# Altium PCB OBC.PcbDoc (part 3 of 3)
Units mm, origin at the board's own origin, x right, y up, seen from the top; angles counter-clockwise.
Board outline 90.1 x 95.9 mm, 4 copper layers (Top Layer, GND, VCC, Bottom Layer), stack 1.536 mm thick; 98 components, 128 nets, 651 pads, 791 vias.
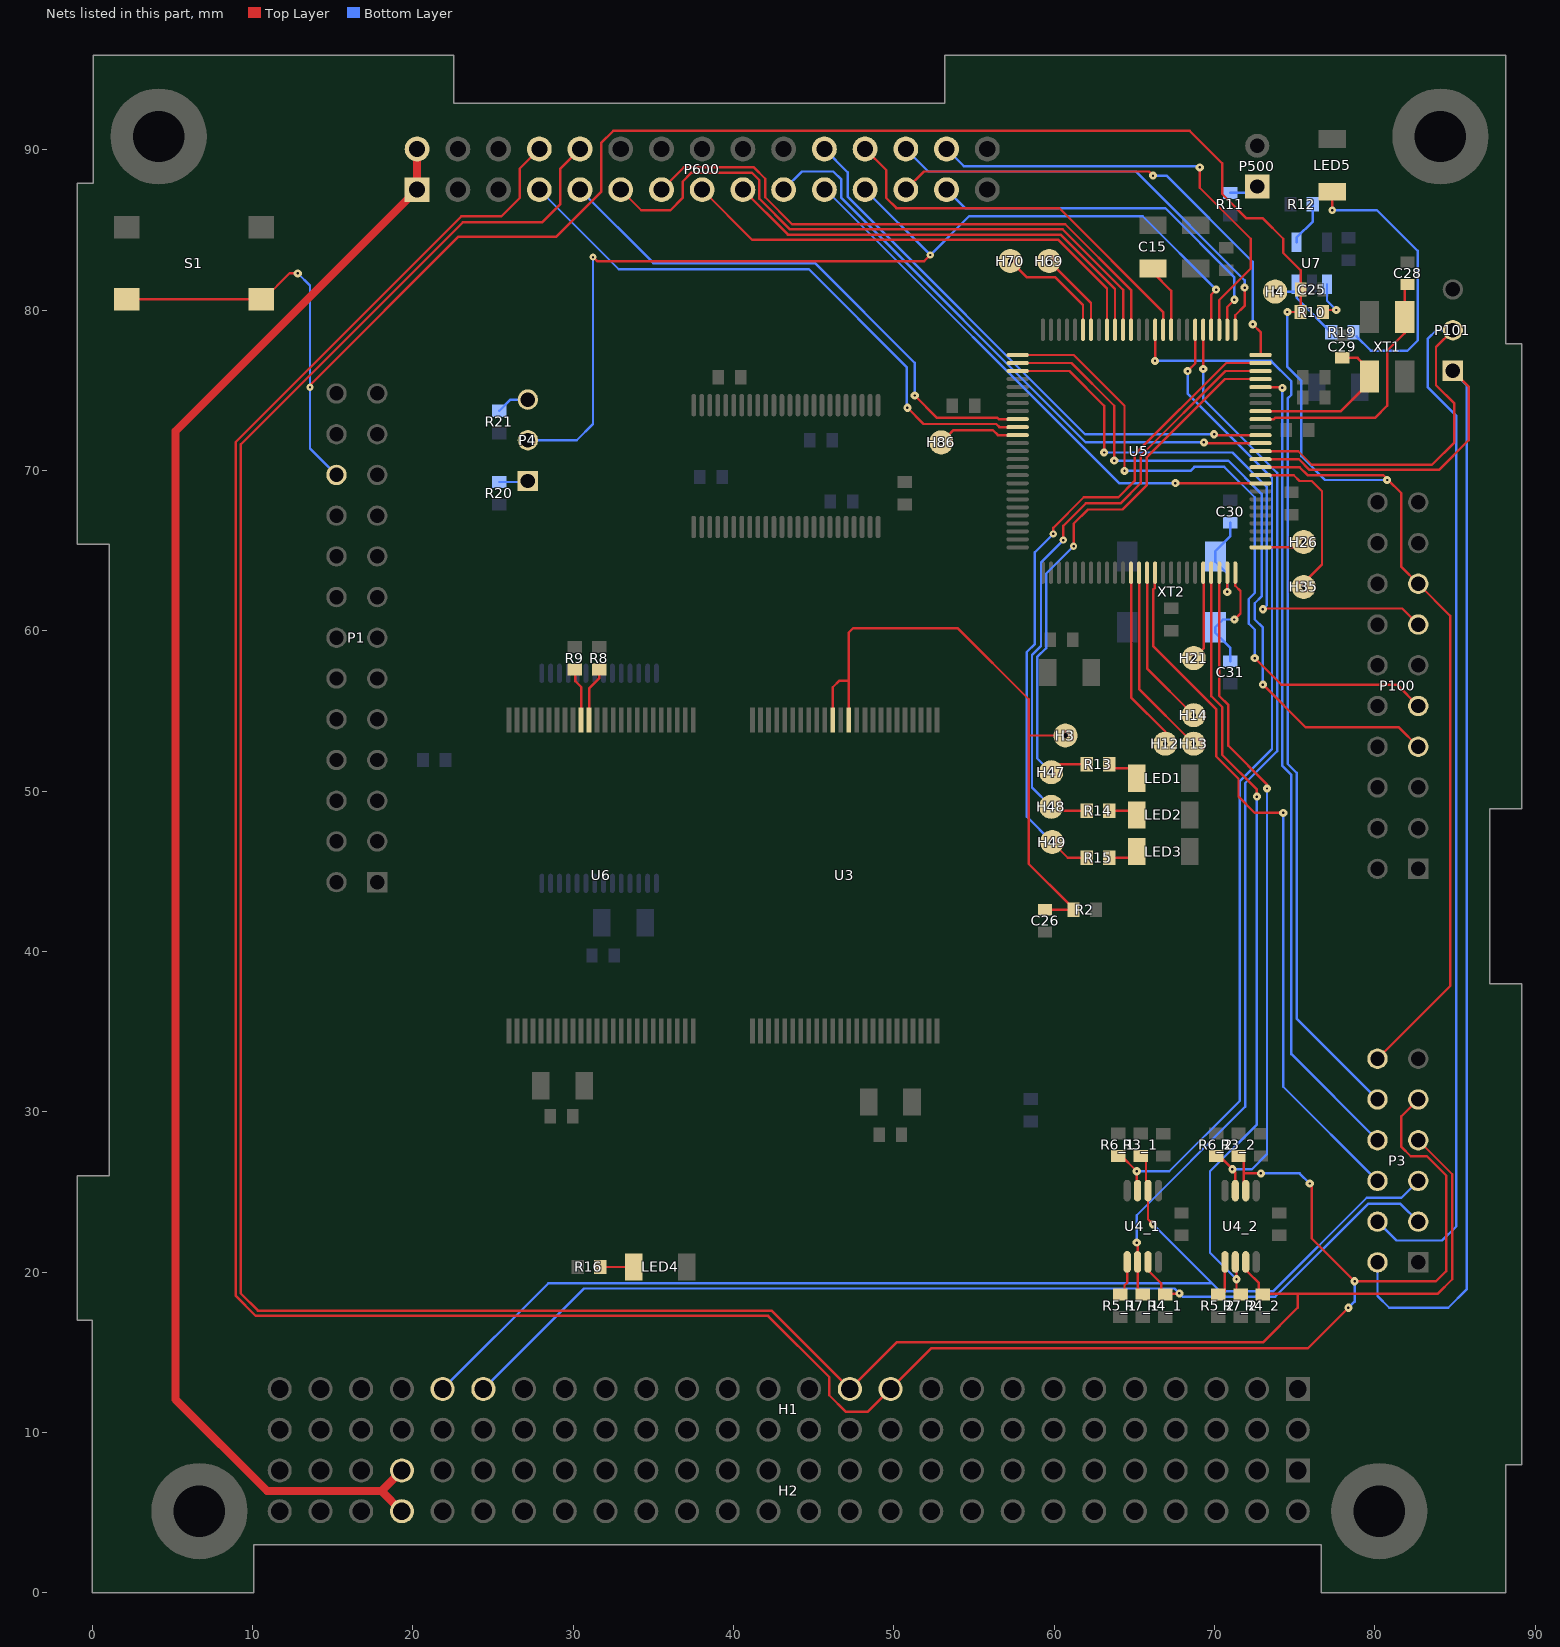
[diagram p5: the nets of this part, all layers, seen from the top]

## Via types
v1: diameter 0.457, hole 0.152, Top Layer to Bottom Layer, tented both sides, 518 vias
v2: diameter 0.508, hole 0.152, Top Layer to Bottom Layer, tented both sides, 273 vias

## Nets (pads, with @x,y where several pads share a name; then routed paths per layer and width w, separated by ;. In a path a pad name is that pad's centre, name@x,y a point inside that pad or via, vN(x,y) a via of type N, cw(c..) or ccw(c..) an arc to the next point about the centre after c; other vN are vias at no path point) (continued)
GPIO_PA13: P600.21 U5.34 | length 34.8
  Top Layer w0.15: v2(67.564,69.215) 67.577,69.202 69.252,69.202 69.26,69.211 69.678,69.211 69.686,69.202 U5.34@72.875,69.202 U5.34@72.9,69.202
  Bottom Layer w0.15: P600.21@45.67,87.51 45.761,87.51 64.056,69.215 v2(67.564,69.215)
GPIO_PB11: P600.19 U5.39 | length 37.9
  Top Layer w0.15: v2(69.342,71.755) 69.395,71.702 U5.39@72.875,71.702 U5.39@72.9,71.702
  Bottom Layer w0.15: P600.19@43.13,87.51 44.266,88.646 46.228,88.646 46.736,88.138 46.736,86.995 61.976,71.755 v2(69.342,71.755)
GPIO_PB12: P600.22 U5.40 | length 35.5
  Top Layer w0.15: v2(69.977,72.263) 70.038,72.202 U5.40@72.875,72.202 U5.40@72.9,72.202
  Bottom Layer w0.15: P600.22@45.67,90.05 47.117,88.603 47.117,87.08 61.934,72.263 v2(69.977,72.263)
GPIO_PD4: P600.25 U5.50 | length 30.5
  Top Layer w0.15: P600.25@50.75,87.51 51.886,88.646 65.913,88.646 v2(66.167,88.392) ; v2(72.39,79.121) 72.9,78.611 U5.50@72.9,77.202
  Bottom Layer w0.15: v2(66.167,88.392) 67.007,88.392 72.39,83.009 v2(72.39,79.121)
GPIO_PD5: P600.26 U5.51 | length 27.8
  Top Layer w0.15: U5.51@71.3,78.802 71.3,79.682 71.882,80.264 v2(71.882,81.407)
  Bottom Layer w0.15: P600.26@50.75,90.05 52.154,88.646 65.103,88.646 71.882,81.867 v2(71.882,81.407)
GPIO_PD6: P600.27 U5.52 | length 23.6
  Top Layer w0.15: U5.52@70.8,78.802 70.8,80.198 v2(71.247,80.645)
  Bottom Layer w0.15: P600.27@53.29,87.51 54.44,86.36 66.929,86.36 71.247,82.042 v2(71.247,80.645)
GPIO_PD7: P600.28 U5.53 | length 28.5
  Top Layer w0.15: v2(69.088,88.9) 69.088,87.63 72.263,84.455 72.263,82.592 70.3,80.629 U5.53@70.3,78.802
  Bottom Layer w0.15: P600.28@53.29,90.05 54.369,88.971 69.017,88.971 v2(69.088,88.9)
GPIO_PD8: P4.2 P600.23 U5.54 | length 65.3
  Top Layer w0.15: v1(31.242,83.312) 31.496,83.058 51.9,83.058 v1(52.281,83.439) ; U5.54@69.8,78.802 69.8,80.976 v2(70.104,81.28)
  Bottom Layer w0.15: P4.2@27.178,71.882 30.226,71.882 31.242,72.898 v1(31.242,83.312) ; P600.23@48.21,87.51 v1(52.281,83.439) 54.694,85.852 65.532,85.852 v2(70.104,81.28)
GPIO_PE0: P600.24 U5.60 | length 24.9
  Top Layer w0.15: P600.24@48.21,90.05 49.53,88.73 49.53,86.995 50.165,86.36 60.325,86.36 66.8,79.885 U5.60@66.8,78.802
I2C0_SCL: R6_1.2 U4_1.3 U5.56 | length 62.2
  Top Layer w0.15: R6_1.2@64.135,27.305 v2(65.151,26.289) 65.151,25.141 U4_1.3@65.207,25.085 ; v2(68.326,76.2) 68.8,76.674 U5.56@68.8,78.777 U5.56@68.8,78.802
  Bottom Layer w0.15: v2(65.151,26.289) 67.183,26.289 71.586,30.692 71.586,50.625 73.589,52.627 73.589,69.54 68.326,74.803 v2(68.326,76.2)
I2C0_SDA: R7_1.2 U4_1.6 U5.55 | length 65.8
  Top Layer w0.15: v2(65.151,21.844) 65.207,21.788 U4_1.6@65.207,20.635 65.207,18.982 R7_1.2@65.532,18.657 ; v2(69.3,76.327) U5.55@69.3,78.777 U5.55@69.3,78.802
  Bottom Layer w0.15: v2(65.151,21.844) 65.151,23.55 71.911,30.31 71.911,50.49 73.914,52.493 73.914,69.85 69.3,74.464 v2(69.3,76.327)
I2C1_SCL: R6_2.2 U4_2.3 U5.23 | length 43
  Top Layer w0.15: R6_2.2@69.977,27.178 70.104,27.178 70.38,27.178 71.131,26.427 v2@71.142,26.416 ; U5.23@70.3,63.602 70.296,63.598 70.296,55.942 70.866,55.372 70.866,52.832 73.279,50.419 v2(73.279,50.165) ; v2@71.183,26.416 v2@71.142,26.416 ; U4_2.3@71.303,25.085 71.303,26.233 v2(71.12,26.416) v2@71.142,26.416
  Bottom Layer w0.15: v2(71.12,26.416) 72.335,26.416 73.279,27.36 v2(73.279,50.165)
I2C1_SDA: R7_2.2 U4_2.6 U5.22 | length 49.2
  Top Layer w0.15: U5.22@69.8,63.602 69.8,55.93 70.485,55.245 70.485,52.252 72.644,50.093 v2(72.644,49.657) ; U4_2.6@71.303,20.635 71.374,20.564 v2(71.374,19.558) 71.374,18.911 R7_2.2@71.628,18.657
  Bottom Layer w0.15: v2(71.374,19.558) 69.723,21.209 69.723,26.289 72.644,29.21 v2(72.644,49.657)
Intergation_PB6: P3.6 U5.15 | length 44.8
  Top Layer w0.15: U5.15@66.3,63.602 66.285,63.587 66.285,62.68 66.171,62.566 66.171,59.051 70.104,55.118 70.104,52.173 71.501,50.776 71.501,49.657 72.517,48.641 v2(74.295,48.641)
  Bottom Layer w0.15: v2(74.295,48.641) 74.295,31.565 P3.6@80.17,25.69
INTERGATION_PD0: P3.8 U5.46 | length 50.8
  Top Layer w0.15: U5.46@72.875,75.202 74.183,75.202 v2(74.239,75.146)
  Bottom Layer w0.15: v2(74.239,75.146) 74.239,51.569 74.799,51.009 74.799,33.601 P3.8@80.17,28.23
INTERGATION_PE1: P3.10 U5.61 | length 58.2
  Top Layer w0.15: v2(66.294,76.835) 66.3,76.841 U5.61@66.3,78.777 U5.61@66.3,78.802
  Bottom Layer w0.15: v2(66.294,76.835) 73.533,76.835 74.803,75.565 74.803,74.724 74.564,74.485 74.564,51.703 75.124,51.143 75.124,35.816 P3.10@80.17,30.77
MCU_R\E\S\E\T\: C25.1 P1.22 P3.12 P100.15 R10.1 S1.1 S1.4 U5.36 | length 167.3
  Top Layer w0.15: S1.4@2.15,80.681 S1.1@10.55,80.681 10.704,80.681 12.319,82.296 v2(12.827,82.296) ; v1(13.589,75.184) 13.589,75.311 22.86,84.582 28.956,84.582 31.75,87.376 31.75,90.424 32.512,91.186 68.453,91.186 70.485,89.154 70.485,87.249 72.009,85.725 73.025,85.725 74.295,84.455 74.295,83.566 75.373,82.488 C25.1@75.373,81.281 ; U5.36@72.9,70.202 75.309,70.202 75.804,69.708 80.533,69.708 80.772,69.469 v2(80.772,69.406) 80.835,69.406 81.661,68.58 81.661,63.979 P100.15@82.71,62.93 84.709,60.931 84.709,37.849 P3.12@80.17,33.31 ; v2(74.549,79.883) R10.1@75.374,79.883 75.501,79.883 75.438,79.947 75.374,80.01 C25.1@75.374,81.28 C25.1@75.373,81.281 ; C25.1@75.311,81.218 75.373,81.28 C25.1@75.373,81.281
  Bottom Layer w0.15: v2(12.827,82.296) 13.589,81.534 v1(13.589,75.184) 13.589,71.374 P1.22@15.24,69.723 ; v2(74.549,79.883) 74.549,76.454 75.42,75.583 75.42,70.884 76.898,69.406 v2(80.772,69.406)
MCU_SWCLK: P100.9 U5.76 | length 42.9
  Top Layer w0.15: U5.76@57.7,77.202 U5.76@57.725,77.202 61.228,77.202 64.389,74.041 v2(64.389,69.977) ; v2(72.517,58.293) 74.168,56.642 81.378,56.642 P100.9@82.71,55.31
  Bottom Layer w0.15: v2(64.389,69.977) 68.502,69.977 68.752,70.227 70.616,70.227 72.517,68.326 72.517,62.357 72.136,61.976 72.136,60.452 72.517,60.071 v2(72.517,58.293)
MCU_SWDIO: P100.7 U5.77 | length 44.2
  Top Layer w0.15: U5.77@57.7,76.702 U5.77@57.725,76.702 61.093,76.702 63.754,74.041 v2(63.754,70.612) ; v2(73.025,56.642) 75.692,53.975 81.505,53.975 P100.7@82.71,52.77
  Bottom Layer w0.15: v2(63.754,70.612) 63.762,70.604 69.383,70.604 69.387,70.608 70.87,70.608 72.939,68.539 72.939,62.144 72.517,61.722 72.517,60.706 73.025,60.198 v2(73.025,56.642)
MCU_SWO: P100.13 U5.78 | length 38.1
  Top Layer w0.15: U5.78@57.7,76.202 U5.78@57.725,76.202 60.958,76.202 63.119,74.041 v2(63.119,71.12) ; v2(73.025,61.341) 73.074,61.39 81.71,61.39 P100.13@82.71,60.39
  Bottom Layer w0.15: v2(63.119,71.12) 71.12,71.12 73.264,68.976 73.264,61.58 v2(73.025,61.341)
NetC15_1: C15.1 U5.59 | length 4
  Top Layer w0.15: C15.1@66.167,82.343 67.3,81.21 U5.59@67.3,78.802
NetC26_1: C26.1 H3.1 R2.1 U3.12 U3.14 | length 39.7
  Top Layer w0.15: U3.14@46.196,54.447 46.196,56.483 46.609,56.896 47.196,56.896 ; U3.12@47.196,54.447 47.196,56.896 ; 58.42,53.48 58.42,55.732 53.983,60.169 47.469,60.169 47.196,59.896 47.196,56.896 ; C26.1@59.436,42.609 61.208,42.609 R2.1@61.213,42.603 ; H3.1@60.706,53.467 58.42,53.467 58.42,45.466 R2.1@60.96,42.926
NetC28_1: C28.1 U5.42 XT1.2 | length 16
  Top Layer w0.15: U5.42@72.9,73.202 73.71,73.202 73.787,73.279 80.01,73.279 80.772,74.041 80.772,77.47 81.872,78.57 XT1.2@81.872,79.574 81.872,81.259 C28.1@81.788,81.343
NetC29_1: C29.1 U5.43 XT1.1 | length 10.3
  Top Layer w0.15: U5.43@72.9,73.702 77.893,73.702 79.672,75.481 XT1.1@79.672,75.874 79.672,76.284 78.93,77.025 C29.1@77.978,77.025
NetC30_2: C30.2 U5.24 XT2.4 | length 6.2
  Top Layer w0.15: v2(70.8,62.423) U5.24@70.8,63.627
  Bottom Layer w0.15: v2(70.8,62.423) 70.8,63.566 70.06,64.306 XT2.4@70.06,64.634 70.06,64.98 70.993,65.913 C30.2@70.993,66.739
NetC31_1: C31.1 U5.25 XT2.1 | length 7.1
  Top Layer w0.15: v2(71.247,60.706) 71.628,61.087 71.628,62.484 71.3,62.812 U5.25@71.3,63.627
  Bottom Layer w0.15: C31.1@70.993,58.102 70.993,58.928 70.06,59.861 XT2.1@70.06,60.234 70.532,60.706 v2(71.247,60.706)
NetH4_1: H4.1 R19.2 U7.3 | length 4.7
  Bottom Layer w0.15: H4.1@73.787,81.153 74.996,81.153 75.123,81.026 75.123,80.769 R19.2@77.279,78.613
NetH12_1: H12.1 U5.12 | length 11.7
  Top Layer w0.15: U5.12@64.8,63.602 64.8,55.85 66.929,53.721 H12.1@66.929,52.959 H12.1@66.929,52.832
NetH13_1: H13.1 U5.13 | length 12.1
  Top Layer w0.15: U5.13@65.3,63.602 65.3,56.366 H13.1@68.707,52.959
NetH14_1: H14.1 U5.14 | length 10.1
  Top Layer w0.15: U5.14@65.8,63.602 65.8,57.644 H14.1@68.707,54.737
NetH21_1: H21.1 U5.21 | length 5.6
  Top Layer w0.15: H21.1@68.707,58.293 69.338,58.924 69.338,63.564 U5.21@69.3,63.602
NetH26_1: H26.1 U5.26 | length 2.8
  Top Layer w0.15: U5.26@72.9,65.202 75.235,65.202 H26.1@75.565,65.532
NetH35_1: H35.1 U5.35 | length 10.7
  Top Layer w0.15: U5.35@72.9,69.702 74.951,69.702 75.311,69.342 76.073,69.342 76.708,68.707 76.708,64.135 75.565,62.992 H35.1@75.565,62.738
NetH47_1: H47.1 R13.2 U5.47 | length 35.7
  Top Layer w0.15: H47.1@59.817,51.181 60.325,51.689 R13.2@62.039,51.689 ; v1(61.214,65.278) 61.214,66.675 62.103,67.564 64.262,67.564 65.786,69.088 65.786,70.836 70.653,75.702 U5.47@72.875,75.702
  Bottom Layer w0.15: H47.1@59.817,51.181 58.943,52.055 58.943,58.356 59.507,58.92 59.507,63.571 v1(61.214,65.278)
NetH48_1: H48.1 R14.2 U5.48 | length 38.5
  Top Layer w0.15: H48.1@59.817,49.022 60.071,48.768 R14.2@62.039,48.768 ; v1(60.579,65.659) 60.579,66.548 61.976,67.945 64.135,67.945 65.405,69.215 65.405,70.914 70.693,76.202 U5.48@72.875,76.202
  Bottom Layer w0.15: H48.1@59.817,49.022 58.618,50.221 58.618,58.491 59.182,59.055 59.182,64.262 v1(60.579,65.659)
NetH49_1: H49.1 R15.2 U5.49 | length 41.7
  Top Layer w0.15: H49.1@59.877,46.824 60.854,45.847 R15.2@62.039,45.847 ; v1(59.944,66.04) 59.944,66.421 61.849,68.326 64.008,68.326 65.024,69.342 65.024,70.993 70.733,76.702 U5.49@72.875,76.702
  Bottom Layer w0.15: H49.1@59.877,46.824 58.293,48.408 58.293,58.674 58.801,59.182 58.801,64.897 v1(59.944,66.04)
NetH69_1: H69.1 U5.69 | length 5.3
  Top Layer w0.15: H69.1@59.69,83.058 62.3,80.448 U5.69@62.3,78.802
NetH70_1: H70.1 U5.70 | length 7.2
  Top Layer w0.15: H70.1@57.277,83.058 58.277,82.058 60.055,82.058 61.8,80.313 U5.70@61.8,78.802
NetH86_1: H86.1 U5.86 | length 4.6
  Top Layer w0.15: H86.1@53.34,72.136 53.721,72.517 56.176,72.517 56.491,72.202 U5.86@57.7,72.202
NetLED1_A: LED1.A R13.1 | length 1.7
  Top Layer w0.15: R13.1@63.436,51.689 63.691,51.435 LED1.A@65.024,51.435
NetLED2_A: LED2.A R14.1 | length 1.8
  Top Layer w0.15: R14.1@63.436,48.768 64.898,48.768 LED2.A@65.152,48.514
NetLED3_A: LED3.A R15.1 | length 1.9
  Top Layer w0.15: R15.1@63.436,45.847 64.771,45.847 LED3.A@65.152,46.228
NetLED4_A: LED4.A R16.1 | length 2.1
  Top Layer w0.15: R16.1@31.686,20.32 LED4.A@33.783,20.32
NetLED5_A: LED5.A R19.1 | length 17.6
  Top Layer w0.15: v1(77.343,86.233) LED5.A@77.343,87.377
  Bottom Layer w0.15: v1(77.343,86.233) 80.137,86.233 82.677,83.693 82.677,78.105 82.042,77.47 79.756,77.47 R19.1@78.867,78.359
NetP4_1: P4.1 R20.2 | length 1.8
  Bottom Layer w0.15: R20.2@25.4,69.278 27.114,69.278 P4.1@27.178,69.342
NetP4_3: P4.3 R21.1 | length 2.1
  Bottom Layer w0.15: R21.1@25.4,73.724 26.098,74.422 P4.3@27.178,74.422
NetP500_1: P500.1 R11.1 | length 1.8
  Bottom Layer w0.15: R11.1@70.993,87.312 72.272,87.312 P500.1@72.67,87.71
NetR5_1_1: R5_1.1 U4_1.5 | length 2
  Top Layer w0.15: R5_1.1@64.389,18.657 64.389,19.177 64.557,19.345 U4_1.5@64.557,20.635
NetR5_2_1: R5_2.1 U4_2.5 | length 2
  Top Layer w0.15: R5_2.1@70.485,18.657 70.653,18.825 U4_2.5@70.653,20.635
NetR8_1: R8.1 U6.14 | length 3.4
  Top Layer w0.15: U6.14@30.998,54.447 30.998,56.398 31.623,57.023 R8.1@31.623,57.594
NetR9_1: R9.1 U6.15 | length 3.4
  Top Layer w0.15: R9.1@30.099,57.67 30.137,57.632 30.137,57.594 30.137,56.858 30.506,56.489 30.506,54.455 U6.15@30.498,54.447
NetR10_2: R10.2 U7.1 | length 2.7
  Top Layer w0.15: R10.2@76.772,80.01 v2(77.597,80.01)
  Bottom Layer w0.15: U7.1@77.023,81.621 77.023,80.584 v2(77.597,80.01)
NetR12_1: R12.1 U7.4 | length 2.8
  Bottom Layer w0.15: U7.4@75.123,84.241 75.123,84.521 76.136,85.534 R12.1@76.136,86.614
PC4: H1.23 P3.7 P600.10 R4_2.2 U4_2.7 | length 178.7
  Top Layer w0.15: P600.10@30.43,90.05 29.21,88.83 29.21,86.614 28.067,85.471 23.114,85.471 9.271,71.628 9.271,18.669 10.343,17.597 42.373,17.597 H1.23@47.26,12.71 50.171,15.621 73.025,15.621 75.184,17.78 75.184,18.657 ; U4_2.7@71.953,20.635 72.078,20.51 72.078,20.018 72.771,19.325 72.771,18.657 73.025,18.657 75.184,18.657 ; P3.7@82.71,28.23 84.836,26.104 84.836,19.558 83.935,18.657 75.184,18.657
PC5: H1.21 P3.9 P600.8 R3_2.2 U4_2.2 | length 191.1
  Top Layer w0.15: P600.8@27.89,90.05 26.67,88.83 26.67,86.995 25.527,85.852 23.035,85.852 8.946,71.763 8.946,18.534 10.208,17.272 42.164,17.272 45.974,13.462 45.974,12.319 46.99,11.303 48.393,11.303 H1.21@49.8,12.71 52.33,15.24 75.819,15.24 v2(78.359,17.78) ; R3_2.2@71.755,27.19 71.828,27.117 71.828,26.164 ; U4_2.2@71.953,25.085 71.828,25.21 71.828,26.164 ; v2(72.898,26.162) 71.83,26.162 71.828,26.164 ; v2(75.946,25.527) 76.073,25.4 76.073,22.098 v2(78.74,19.431) 83.82,19.431 84.455,20.066 84.455,26.025 83.25,27.23 82.244,27.23 81.661,27.813 81.661,29.721 P3.9@82.71,30.77
  Bottom Layer w0.15: v2(72.898,26.162) 75.311,26.162 v2(75.946,25.527) ; v2(78.359,17.78) 78.74,18.161 v2(78.74,19.431)
PC-104_I2C-BUS_SCL: H1.43 P3.5 R3_1.2 U4_1.2 | length 76.3
  Top Layer w0.15: R3_1.2@65.659,27.19 65.732,27.117 65.732,25.21 U4_1.2@65.857,25.085 65.857,23.297 v2(66.167,22.987)
  Bottom Layer w0.15: H1.43@21.86,12.71 28.454,19.304 69.85,19.304 ; v2(66.167,22.987) 69.85,19.304 ; P3.5@82.71,25.69 81.658,24.638 79.502,24.638 73.66,18.796 70.358,18.796 69.85,19.304
PC-104_I2C-BUS_SDA: H1.41 P3.3 R4_1.2 U4_1.7 | length 67.4
  Top Layer w0.15: U4_1.7@65.857,20.635 65.982,20.51 65.982,19.997 66.675,19.304 66.675,18.657 66.929,18.657 67.806,18.657 v2(67.818,18.669)
  Bottom Layer w0.15: H1.41@24.4,12.71 30.669,18.979 67.508,18.979 v2(67.818,18.669) 68.016,18.471 73.795,18.471 79.581,24.257 81.603,24.257 P3.3@82.71,23.15
PE4: P600.13 U5.64 | length 36.2
  Top Layer w0.15: P600.13@35.51,87.51 36.9,88.9 41.275,88.9 41.981,88.194 41.981,87.038 43.661,85.358 60.692,85.358 64.8,81.25 64.8,80.336 ; U5.64@64.799,78.803 64.799,80.335
PE5: P600.11 U5.65 | length 39.6
  Top Layer w0.15: P600.11@32.97,87.51 34.247,86.233 36.068,86.233 36.83,86.995 36.83,88.011 37.394,88.575 41.14,88.575 41.615,88.1 41.615,86.945 43.527,85.033 60.539,85.033 64.3,81.272 U5.65@64.3,78.802
PE6: P600.17 U5.66 | length 28.3
  Top Layer w0.15: P600.17@40.59,87.51 43.392,84.708 60.405,84.708 63.8,81.313 U5.66@63.8,78.802
PE7: P600.15 U5.67 | length 30.4
  Top Layer w0.15: P600.15@38.05,87.51 41.177,84.383 60.27,84.383 63.3,81.353 U5.67@63.3,78.802
PF6: P600.9 U5.84 | length 34.4
  Top Layer w0.15: v2(51.308,74.676) 52.705,73.279 56.467,73.279 56.543,73.202 U5.84@57.725,73.202
  Bottom Layer w0.15: P600.9@30.43,87.51 35.009,82.931 45.085,82.931 51.308,76.708 v2(51.308,74.676)
PF7: P600.7 U5.85 | length 37.4
  Top Layer w0.15: v2(50.848,73.914) 51.864,72.898 56.388,72.898 56.584,72.702 U5.85@57.725,72.702
  Bottom Layer w0.15: P600.7@27.89,87.51 32.85,82.55 44.704,82.55 50.804,76.45 50.804,73.958 v2(50.848,73.914)
U1_RX: P3.4 P101.2 U5.38 | length 84.6
  Top Layer w0.15: U5.38@72.9,71.202 75.229,71.202 76.073,70.358 83.566,70.358 84.963,71.755 84.963,74.168 83.82,75.311 83.82,77.7 P101.2@84.87,78.75
  Bottom Layer w0.15: P3.4@80.17,23.15 81.349,21.971 84.201,21.971 85.09,22.86 85.09,73.406 83.312,75.184 83.312,78.232 83.83,78.75 P101.2@84.87,78.75
U1_TX: P3.2 P101.1 U5.37 | length 84.4
  Top Layer w0.15: U5.37@72.9,70.702 75.269,70.702 75.938,70.033 84.003,70.033 85.852,71.882 85.852,75.228 P101.1@84.87,76.21
  Bottom Layer w0.15: P3.2@80.17,20.61 80.17,18.509 80.899,17.78 84.582,17.78 85.725,18.923 85.725,75.311 P101.1@85.09,75.946
VBAT: H2.45 H2.46 P600.1 P600.2 | length 103
  Top Layer w0.5: H2.46@19.32,5.09 19.3,5.09 18.04,6.35 ; H2.45@19.32,7.63 18.04,6.35 ; P600.2@20.27,90.05 P600.1@20.27,87.51 5.207,72.447 5.207,12.065 10.922,6.35 18.04,6.35
pads on no net: H1.1 H1.2 H1.3 H1.4 H1.5 H1.6 H1.7 H1.8 H1.9 H1.10 H1.11 H1.12 H1.13 H1.14 H1.15 H1.16 H1.17 H1.18 H1.19 H1.20 H1.22 H1.24 H1.25 H1.26 H1.27 H1.28 H1.29 H1.30 H1.31 H1.32 H1.33 H1.34 H1.35 H1.36 H1.37 H1.38 H1.39 H1.40 H1.42 H1.44 H1.45 H1.46 H1.47 H1.49 H1.51 H2.1 H2.2 H2.3 H2.4 H2.5 H2.6 H2.7 H2.8 H2.9 H2.10 H2.11 H2.12 H2.13 H2.14 H2.15 H2.16 H2.17 H2.18 H2.19 H2.20 H2.21 H2.22 H2.23 H2.24 H2.27 H2.28 H2.31 H2.33 H2.34 H2.35 H2.36 H2.37 H2.38 H2.39 H2.40 H2.41 H2.42 H2.43 H2.44 H2.47 H2.48 H2.49 H2.50 H2.51 H2.52 P100.2 P100.3 P100.5 P100.11 P100.17 P100.19 U3.13 U3.15 U3.30 U3.32 U3.34 U3.36 U3.39 U3.41 U3.43 U6.10 U6.13 U6.30 U6.32 U6.34 U6.36 U6.39 U6.41 U6.43
copper on no net: | length 5.3
  Top Layer w0.208: 13.208,89.789 13.208,90.043 ; 13.208,90.551 13.208,90.805 ; 13.462,89.535 13.716,89.535 ; 13.462,90.297 13.716,90.297 ; 13.462,91.059 13.716,91.059 ; 13.97,89.789 13.97,90.043 ; 13.97,90.551 13.97,90.805 ; 14.605,89.789 14.605,90.043 ; 14.605,90.551 14.605,90.805 ; 14.859,89.535 15.113,89.535 ; 14.859,90.297 15.113,90.297 ; 14.859,91.059 15.113,91.059 ; 15.367,89.789 15.367,90.043 ; 15.367,90.551 15.367,90.805 ; 16.002,89.789 16.002,90.043 ; 16.002,90.551 16.002,90.805 ; 16.256,89.535 16.51,89.535 ; 16.256,90.297 16.51,90.297 ; 16.256,91.059 16.51,91.059 ; 16.764,89.789 16.764,90.043 ; 16.764,90.551 16.764,90.805

## Polygon pours and split planes (outlines as drawn)
GND on Bottom Layer "Top-GND" (solid, remove dead copper, pour order 1): -0.93,17 0,17 0,0 10.07,0 10.07,3 76.67,3 76.67,0 76.68,0.01 88.17,0.01 88.17,8 89.17,8 89.17,38 87.17,38 87.17,48.9 89.17,48.9 89.17,77.9 88.17,77.9 88.17,95.9 53.17,95.9 53.17,92.9 22.57,92.9 22.57,95.9 0.07,95.9 0.07,87.9 -0.93,87.9 -0.93,65.4 1.07,65.4 1.07,26 -0.93,26
GND on Top Layer "Top-GND" (solid, remove dead copper, pour order 2): -0.93,17 0,17 0,0 10.07,0 10.07,3 76.67,3 76.67,0 76.68,0.01 88.17,0.01 88.17,8 89.17,8 89.17,38 87.17,38 87.17,48.9 89.17,48.9 89.17,77.9 88.17,77.9 88.17,95.9 53.17,95.9 53.17,92.9 22.57,92.9 22.57,95.9 0.07,95.9 0.07,87.9 -0.93,87.9 -0.93,65.4 1.07,65.4 1.07,26 -0.93,26
GND on GND (split plane): 87.533,77.9 87.541,77.8 87.564,77.703 87.602,77.611 87.655,77.526 87.72,77.45 87.796,77.385 87.881,77.333 87.973,77.294 88.07,77.271 88.17,77.263 88.533,77.263 88.533,49.537 87.17,49.537 87.07,49.529 86.973,49.506 86.881,49.468 86.796,49.415 86.72,49.35 86.655,49.274 86.602,49.189 86.564,49.097 86.541,49 86.533,48.9 86.533,38 86.541,37.9 86.564,37.803 86.602,37.711 86.655,37.626 86.72,37.55 86.796,37.485 86.881,37.433 86.973,37.394 87.07,37.371 87.17,37.363 88.533,37.363 88.533,8.637 88.17,8.637 88.07,8.629 87.973,8.606 87.881,8.568 87.796,8.515 87.72,8.45 87.655,8.374 87.602,8.289 87.564,8.197 87.541,8.1 87.533,8 87.533,0.647 77.307,0.647 77.307,3 77.299,3.1 77.276,3.197 77.238,3.289 77.185,3.374 77.12,3.45 77.044,3.515 76.959,3.568 76.867,3.606 76.77,3.629 76.67,3.637 10.07,3.637 9.97,3.629 9.873,3.606 9.781,3.568 9.696,3.515 9.62,3.45 9.555,3.374 9.502,3.289 9.464,3.197 9.441,3.1 9.433,3 9.433,0.637 0.637,0.637 0.637,17 0.629,17.1 0.606,17.197 0.568,17.289 0.515,17.374 0.45,17.45 0.374,17.515 0.289,17.568 0.197,17.606 0.1,17.629 0,17.637 -0.293,17.637 -0.293,25.363 1.07,25.363 1.17,25.371 1.267,25.394 1.359,25.433 1.444,25.485 1.52,25.55 1.585,25.626 1.638,25.711 1.676,25.803 1.699,25.9 1.707,26 1.707,65.4 1.699,65.5 1.676,65.597 1.638,65.689 1.585,65.774 1.52,65.85 1.444,65.915 1.359,65.968 1.267,66.006 1.17,66.029 1.07,66.037 -0.293,66.037 -0.293,87.263 0.07,87.263 0.17,87.271 0.267,87.294 0.359,87.333 0.444,87.385 0.52,87.45 0.585,87.526 0.638,87.611 0.676,87.703 0.699,87.8 0.707,87.9 0.707,95.263 21.933,95.263 21.933,92.9 21.941,92.8 21.964,92.703 22.002,92.611 22.055,92.526 22.12,92.45 22.196,92.385 22.281,92.333 22.373,92.294 22.47,92.271 22.57,92.263 53.17,92.263 53.27,92.271 53.367,92.294 53.459,92.333 53.544,92.385 53.62,92.45 53.685,92.526 53.738,92.611 53.776,92.703 53.799,92.8 53.807,92.9 53.807,95.263 87.533,95.263
3V3D on VCC (split plane): 173 vertices, not listed, extent -0.039,0.891 88.279,95.009

## Other copper
Top Layer:
  pour cut-out: 9.144,89.154 17.272,89.154 17.272,91.44 9.144,91.44
  text "S/N:" at 9.652,89.662 h1.8

## Silkscreen, mask and mechanical layers (free items; w line width, h text height)
Top Overlay:
  lines w0.2: 68.072,24.638 68.072,25.019 68.453,25.4 68.453,26.289 ; 74.041,24.765 74.041,25.146 74.422,25.527 74.422,26.416 ; 77.724,21.082 77.978,21.082 78.232,20.828 78.707,20.828 ; 77.724,22.606 77.978,22.606 78.232,22.86 78.707,22.86 ; 83.185,83.058 83.185,87.249 ; 84.107,23.368 84.582,23.368 84.836,23.622 85.09,23.622 ; 84.107,25.4 84.582,25.4 84.836,25.146 85.09,25.146 ; 86.614,83.058 86.614,87.249
  lines w0.208: 8.128,9.652 8.636,9.652 9.144,9.144 9.144,8.636 9.652,8.128 ; 8.128,12.446 9.398,12.446 ; 21.336,31.242 21.336,33.528 ; 21.336,32.385 22.225,32.385 22.606,32.004 22.606,25.654 23.114,25.146 23.876,25.146 ; 21.336,34.29 21.336,36.576 ; 21.336,35.433 22.479,35.433 23.368,34.544 23.368,27.178 23.622,26.924 23.876,26.924 ; 80.01,12.065 80.01,14.097 83.947,14.097 83.947,12.065 80.01,12.065
  text "(WDT Enable)" at 69.723,92.456 h1
  text "GND" at 83.566,86.106 h1
  text "RX" at 84.074,84.582 h1
  text "TX" at 84.074,83.058 h1
  text "OBC EM.2.02" at 25.908,80.772 h2
  text "MCU RESET" at 1.905,78.105 h1
  text "(MOCK)" at 15.875,77.47 h1
  text "GND" at 9.525,74.295 h1
  text "3.3V" at 20.955,74.295 h1
  text "Pull-up" at 28.956,74.041 h0.9
  text "BU_VIN" at 28.956,72.009 h0.9
  text "GND" at 9.525,71.755 h1
  text "PE3" at 20.955,71.755 h1
  text "(PD8)" at 29.464,70.739 h0.9
  text "nRST" at 8.89,69.215 h1
  text "PE2" at 20.955,69.215 h1
  text "Pull-down" at 28.956,68.834 h0.9
  text "EBI_nCS3" at 5.08,66.675 h1
  text "PF9" at 20.955,66.675 h1
  text "EBI_nCS2" at 5.08,64.135 h1
  text "PC15" at 20.955,64.135 h1
  text "EBI_nCS1" at 5.08,61.595 h1
  text "PC14" at 20.955,61.595 h1
  text "(SWD)" at 87.884,59.182 h1 r90
  text "EBI_nCS0" at 5.08,59.055 h1
  text "PC3" at 20.955,59.055 h1
  text "EBI_REN" at 5.715,56.515 h1
  text "PC12" at 20.955,56.515 h1
  text "EBI_WEN" at 5.715,53.975 h1
  text "PC11" at 20.955,53.975 h1
  text "EBI_ALE" at 5.715,51.435 h1
  text "PC8" at 20.955,51.435 h1
  text "PB2" at 9.525,48.895 h1
  text "PC2" at 20.955,48.895 h1
  text "PB1" at 9.525,46.355 h1
  text "PC1" at 20.955,46.355 h1
  text "PB0" at 9.525,43.815 h1
  text "PC0" at 20.955,43.815 h1
  text "PC8 -> ACMP1" at 3.302,38.862 h1
  text "PC2 -> ACMP0" at 3.302,37.338 h1
  text "PC1 -> Power SRAM2" at 3.302,35.814 h1
  text "(Integration)" at 75.692,35.306 h1
  text "PC0 -> Power SRAM1" at 3.302,34.29 h1
  text "nRST" at 74.295,33.02 h1
  text "GND" at 84.582,33.02 h1
  text "PC14->Enable SRAM1" at 3.302,32.766 h1
  text "PC15->Enable SRAM2" at 3.302,31.242 h1
  text "PE1" at 75.565,30.48 h1
  text "PC5" at 84.582,30.48 h1
  text "PE2->FPGA ctrl. pin" at 3.302,29.718 h1
  text "PE3->FPGA ctrl. pin" at 3.302,28.194 h1
  text "PD0" at 75.565,27.94 h1
  text "PC4" at 84.582,27.94 h1
  text "PB0->FPGA err. pin" at 3.302,26.67 h1
  text "Active high" at 24.384,26.416 h1
  text "(BUS)" at 84.328,26.162 h1
  text "PB6" at 75.565,25.4 h1
  text "PB1->FPGA err. pin" at 3.302,25.146 h1
  text "Active low" at 24.384,24.638 h1
  text "SCL" at 85.344,24.638 h1
  text "PB2->FPGA err. pin" at 3.302,23.622 h1
  text "(U1)" at 75.184,23.622 h1
  text "SDA" at 85.344,23.114 h1
  text "PF9->WDT enable/toggle" at 3.302,22.098 h1
  text "RX" at 75.692,22.098 h1
  text "TX" at 75.692,20.574 h1
  text "3.3V" at 84.582,20.32 h1
  text "TOP" at 80.645,12.573 h1
Bottom Overlay:
  lines w0.208: 10.414,17.78 22.606,17.78 ; 10.414,20.32 22.606,20.32 ; 10.414,23.876 22.606,23.876 ; 12.954,15.24 12.954,27.686 ; 15.494,15.24 15.494,27.686 ; 18.034,15.24 18.034,27.686 ; 20.574,15.24 20.574,27.686 ; 22.606,15.24 10.414,15.24 10.414,27.686 22.606,27.686 ; 34.544,15.24 48.006,15.24 ; 34.544,19.05 48.006,19.05 ; 34.544,22.606 48.006,22.606 ; 34.544,25.146 48.006,25.146 ; 34.544,27.686 48.006,27.686 ; 35.814,15.24 35.814,27.686 ; 38.354,15.24 38.354,27.686 ; 40.894,15.24 40.894,27.686 ; 43.434,15.24 43.434,27.686 ; 45.974,15.24 45.974,27.686 ; 77.216,45.212 78.74,45.212 ; 77.216,47.752 78.74,47.752 ; 78.232,47.752 78.232,68.072 78.74,68.072 ; 78.232,50.292 78.74,50.292 ; 78.232,52.832 78.74,52.832 ; 78.232,55.372 78.74,55.372 ; 78.232,57.912 78.74,57.912 ; 78.232,60.452 78.74,60.452 ; 78.232,62.992 78.74,62.992 ; 78.232,65.532 78.74,65.532 ; 82.804,42.164 82.804,43.688 ; 78.74,12.065 78.74,14.097 85.598,14.097 85.598,12.065 78.74,12.065
  text "(Piggyback)" at 58.42,84.455 h1 r270
  text "VBAT" at 19.812,80.772 h1 r270
  text "5V" at 22.225,80.645 h1 r270
  text "3.3V" at 24.765,80.645 h1 r270
  text "PC5" at 27.305,80.645 h1 r270
  text "PC4" at 29.845,80.645 h1 r270
  text "PA8" at 32.385,80.645 h1 r270
  text "PA9" at 34.925,80.645 h1 r270
  text "PA10" at 37.465,80.645 h1 r270
  text "PA11" at 40.005,80.645 h1 r270
  text "PA12" at 42.545,80.645 h1 r270
  text "PB12" at 45.085,80.645 h1 r270
  text "PE0" at 47.625,80.645 h1 r270
  text "PD5" at 50.165,80.645 h1 r270
  text "PD7" at 52.705,80.645 h1 r270
  text "GND" at 55.245,80.645 h1 r270
  text "5V" at 22.225,77.089 h1 r270
  text "PF6" at 29.845,76.2 h1 r270
  text "PE4" at 35.052,76.2 h1 r270
  text "PD8" at 47.752,76.2 h1 r270
  text "PD4" at 50.292,76.2 h1 r270
  text "PD6" at 52.705,76.2 h1 r270
  text "GND" at 55.245,76.2 h1 r270
  text "PF7" at 27.305,76.073 h1 r270
  text "PE5" at 32.385,76.073 h1 r270
  text "PE7" at 37.338,75.946 h1 r270
  text "PE6" at 40.132,75.946 h1 r270
  text "PB11" at 42.672,75.692 h1 r270
  text "PA13" at 45.212,75.438 h1 r270
  text "VBAT" at 19.558,75.184 h1 r270
  text "3.3V" at 24.892,75.184 h1 r270
  text "NC" at 86.36,67.564 h1
  text "NC" at 86.36,65.024 h1
  text "nRST" at 87.503,62.484 h1
  text "SWO" at 86.868,59.944 h1
  text "NC" at 85.852,57.404 h1
  text "SWCLK" at 87.884,54.864 h0.9
  text "SWDIO" at 87.884,52.324 h0.9
  text "NC" at 85.852,49.784 h1
  text "GND" at 76.708,47.244 h1
  text "NC" at 85.852,47.244 h1
  text "NC" at 76.708,44.704 h1
  text "3.3V" at 84.836,40.64 h1
  text "Supply" at 31.242,21.082 h1
  text "3V3" at 11.176,20.828 h1 r270
  text "3V3" at 13.716,20.828 h1 r270
  text "3V3" at 16.256,20.828 h1 r270
  text "GND" at 39.116,19.558 h1 r270
  text "GND" at 36.576,15.748 h1 r270
  text "GND" at 39.116,15.748 h1 r270
  text "BOTTOM" at 84.963,12.573 h1
Top Solder:
  region: 9.144,89.154 17.272,89.154 17.272,91.44 9.144,91.44
Table:
  drawing of 355 lines, arcs and shapes, not listed
  text "1" at 13.23,271.445 h1.78
  text "2" at 86.255,271.445 h1.78
  text "3" at 158.899,271.445 h1.78
  text "4" at 232.051,271.445 h1.78
  text "5" at 304.949,271.445 h1.78
  text "A" at -21.111,248.432 h1.78
  text "A" at 338.934,248.432 h1.78
  text "B" at -21.111,200.172 h1.78
  text "B" at 338.934,200.172 h1.78
  text "C" at -21.111,151.912 h1.78
  text "C" at 338.934,151.912 h1.78
  text "D" at -21.111,103.856 h1.78
  text "D" at 338.934,103.856 h1.78
  text "Layer" at 189.96,93.006 h1.52
  text "Name" at 200.372,93.006 h1.52
  text "Material" at 223.987,93.006 h1.52
  text "Thickness" at 245.825,93.006 h1.52
  text "Constant" at 262.331,93.006 h1.52
  text "Board Layer Stack" at 276.805,93.006 h1.52
  text "1" at 189.96,89.958 h1.52
  text "Top Overlay" at 200.372,89.958 h1.52
  text "2" at 189.96,86.91 h1.52
  text "Top Solder" at 200.372,86.91 h1.52
  text "Solder Resist" at 223.987,86.91 h1.52
  text "0.018mm" at 245.825,86.91 h1.52
  text "3.5" at 262.331,86.91 h1.52
  text "3" at 189.96,83.862 h1.52
  text "Top Layer" at 200.372,83.862 h1.52
  text "Copper" at 223.987,83.862 h1.52
  text "0.018mm" at 245.825,83.862 h1.52
  text "4" at 189.96,80.814 h1.52
  text "Dielectric 1" at 200.372,80.814 h1.52
  text "FR-4" at 223.987,80.814 h1.52
  text "0.360mm" at 245.825,80.814 h1.52
  text "4.2" at 262.331,80.814 h1.52
  text "5" at 189.96,77.766 h1.52
  text "GND" at 200.372,77.766 h1.52
  text "Copper" at 223.987,77.766 h1.52
  text "0.035mm" at 245.825,77.766 h1.52
  text "6" at 189.96,74.718 h1.52
  text "Dielectric 3" at 200.372,74.718 h1.52
  text "FR-4" at 223.987,74.718 h1.52
  text "0.710mm" at 245.825,74.718 h1.52
  text "4.2" at 262.331,74.718 h1.52
  text "7" at 189.96,71.67 h1.52
  text "VCC" at 200.372,71.67 h1.52
  text "Copper" at 223.987,71.67 h1.52
  text "0.035mm" at 245.825,71.67 h1.52
  text "8" at 189.96,68.622 h1.52
  text "Dielectric 2" at 200.372,68.622 h1.52
  text "FR-4" at 223.987,68.622 h1.52
  text "0.360mm" at 245.825,68.622 h1.52
  text "4.2" at 262.331,68.622 h1.52
  text "9" at 189.96,65.574 h1.52
  text "Bottom Layer" at 200.372,65.574 h1.52
  text "Copper" at 223.987,65.574 h1.52
  text "0.018mm" at 245.825,65.574 h1.52
  text "10" at 189.96,62.526 h1.52
  text "Bottom Solder" at 200.372,62.526 h1.52
  text "Solder Resist" at 223.987,62.526 h1.52
  text "0.018mm" at 245.825,62.526 h1.52
  text "3.5" at 262.331,62.526 h1.52
  text "11" at 189.96,59.478 h1.52
  text "Bottom Overlay" at 200.372,59.478 h1.52
  text "E" at -21.111,55.342 h1.78
  text "E" at 338.934,55.342 h1.78
  text "PCB Technology" at 189.909,53.389 h1.52
  text "OL-TW" at 216.485,53.382 h1.52
  text "OL-TT-TP-PP" at 227.865,53.382 h1.52
  text "OAR" at 249.099,53.382 h1.52
  text "IL-TW" at 258.702,53.382 h1.52
  text "IL-TT-TP-PP" at 270.081,53.382 h1.52
  text "IAR" at 291.315,53.382 h1.52
  text "Smallest final hole" at 299.95,53.382 h1.52
  text "0.150mm" at 215.631,50.367 h1.52
  text "0.125mm" at 246.468,50.367 h1.52
  text "Any PB free fin." at 189.866,50.359 h1.52
  text "0.150mm" at 231.624,50.308 h1.52
  text "0.25mm" at 307.265,50.308 h1.52
  text "TITLE:" at 186.029,19.39 h3
  text "PwSat2" at 199.029,16.39 h5
  text "Printout Name:" at 186.029,7.39 h3
  text ".PRINTOUT_NAME" at 208.029,7.39 h3
  text "F" at -21.111,7.336 h1.78
  text "F" at 338.934,7.336 h1.78
  text "Drawn Date:" at 186.029,3.39 h3
  text "2016-03-03" at 206.028,3.387 h3
  text "Revision:" at 227.029,3.39 h3
  text "'.Version'" at 243.028,3.387 h3
  text "Drawn by:" at 186.029,-0.61 h3
  text "Konrad Foit" at 206.029,-0.61 h3
  text "Print Date:" at 227.029,-0.61 h3
  text ".PRINT_DATE" at 243.029,-0.61 h3
  text "Checked by:" at 186.029,-4.61 h3
  text "Jakub Hajduk" at 206.029,-4.61 h3
  text "Print Time:" at 227.029,-4.61 h3
  text ".Print_Time" at 243.029,-4.61 h3
  text "File:" at 186.029,-8.61 h3
  text ".PCB_FILE_NAME_NO_PATH" at 192.029,-8.61 h3
  text ".PRINT_SCALE" at 227.029,-8.61 h3
  text "1" at 13.23,-13.035 h1.78
  text "2" at 86.255,-13.035 h1.78
  text "3" at 158.899,-13.035 h1.78
  text "4" at 232.051,-13.035 h1.78
  text "5" at 304.949,-13.035 h1.78
Outline:
  the board outline again, w0.2